# Altium PCB Thunderscope_Rev4.PCBDOC (part 3 of 7) (continued)
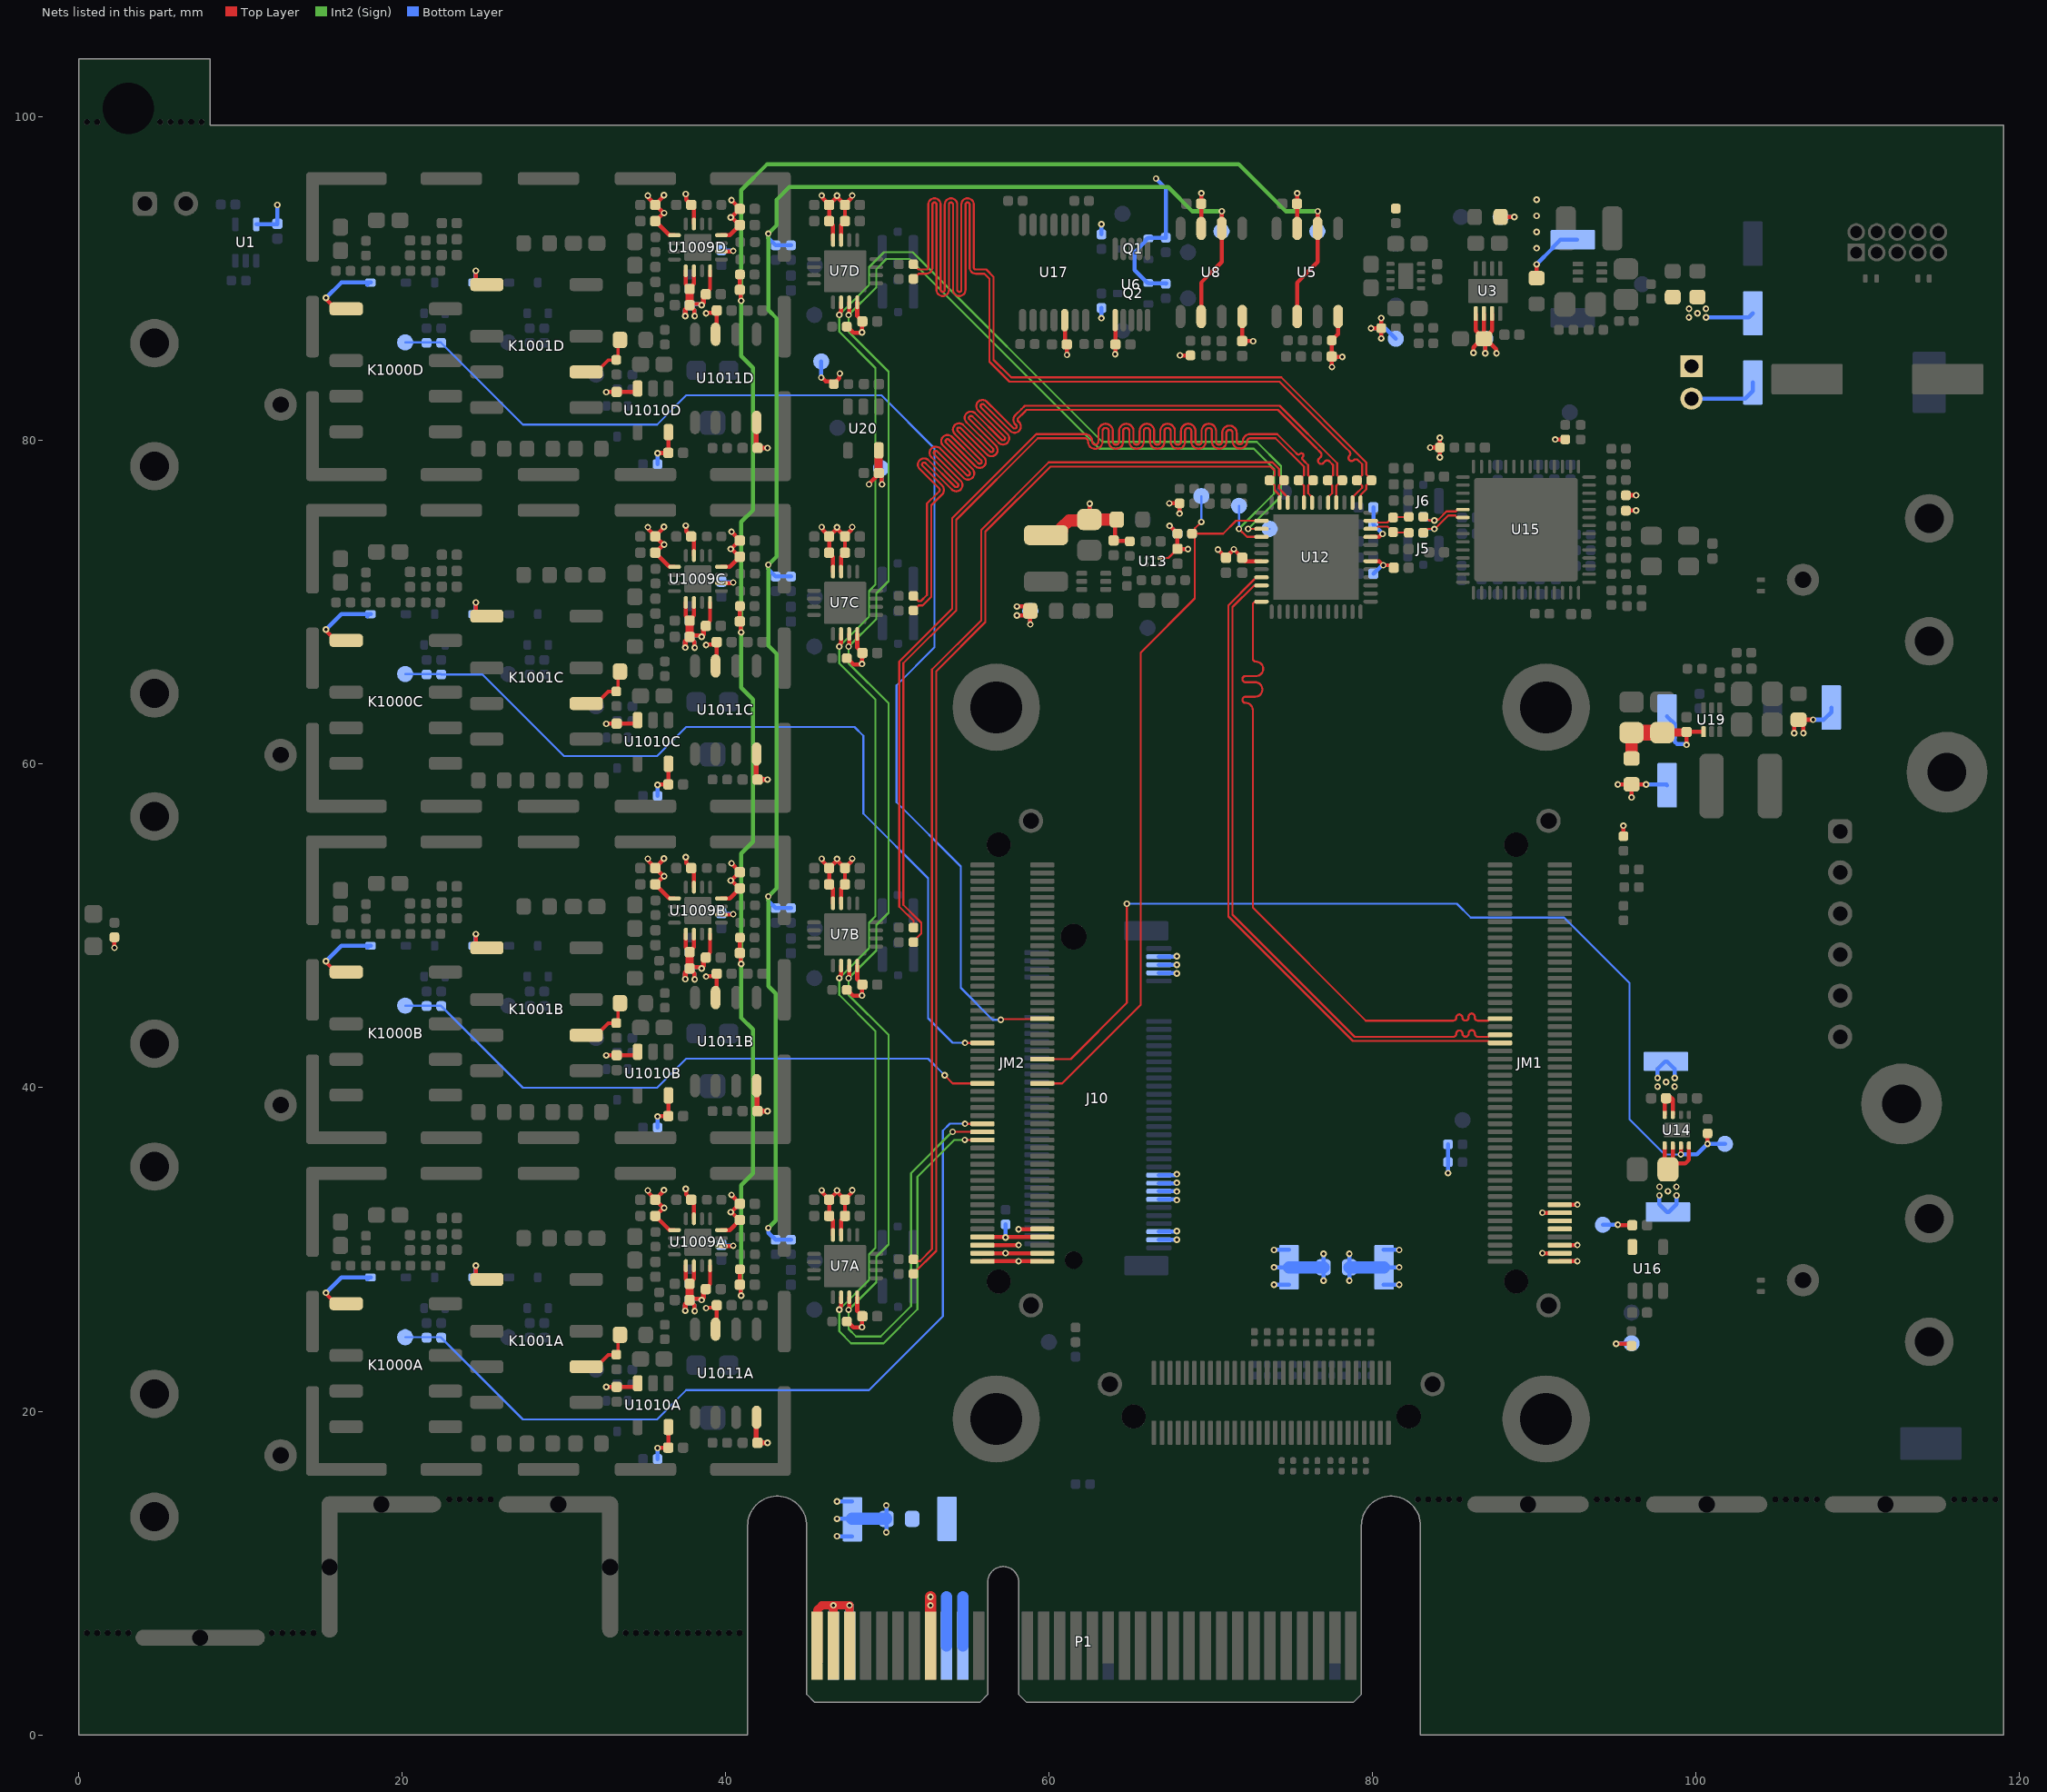
[diagram p7: the nets of this part, all layers, seen from the top]
## Nets (pads, with @x,y where several pads share a name; then routed paths per layer and width w, separated by ;. In a path a pad name is that pad's centre, name@x,y a point inside that pad or via, vN(x,y) a via of type N, cw(c..) or ccw(c..) an arc to the next point about the centre after c; other vN are vias at no path point) (continued)
  Top Layer w1: C119.2@96,61.95 C120.2@97.9,61.95
  Bottom Layer w0.254: TP51.1@98.2,62.95 98.673,62.477 98.673,61.388 98.822,61.239 99.361,61.239 v1(99.4,61.2)
+12V_PCIe: P1.A2 P1.A3 P1.B1 P1.B2 P1.B3 R116.1 TP50.1 | length 18.2
  Top Layer w0.254: v1(95.15,58.75) R116.1@96,58.75 ; v1(96,57.95) R116.1@96,58.75 ; v1(96.9,58.75) R116.1@96,58.75
  Top Layer w0.5: P1.B1@45.65,5.5 45.65,7.707 45.943,8 v1(46.65,8) v1(47.65,8)
  Top Layer w0.508: P1.B2@46.65,5.5 v1(46.65,8) ; P1.B3@47.65,5.5 v1(47.65,8)
  Bottom Layer w0.254: v1(96.9,58.75) 98.15,58.75 TP50.1@98.2,58.7
  Bottom Layer w0.508: P1.A2@46.65,5.5 v1(46.65,8) ; P1.A3@47.65,5.5 v1(47.65,8)
+VBIAS: R97A.2 R97B.2 R97C.2 R97D.2 R98A.1 R98B.1 R98C.1 R98D.1 TP17.1 U8.2 U8.6 | length 109.2
  Top Layer w0.254: U8.2@69.39,87.675 69.39,89.77 70.66,91.04 U8.6@70.66,93.125 70.665,93.13 70.665,94.175 v1(70.67,94.18)
  Int2 (Sign) w0.254: v1(42.625,31.325) 43.075,31.775 43.075,45.825 42.625,46.275 v1(42.625,51.825) 43.15,52.35 43.15,66.8 42.625,67.325 v1(42.625,72.325) 43.15,72.85 43.15,87.55 42.625,88.075 v1(42.625,92.8) 43.15,93.325 43.15,94.9 43.925,95.675 67.35,95.675 68.845,94.18 v1(70.67,94.18)
  Bottom Layer w0.254: v1(42.625,31.325) 42.642,31.308 42.642,31.033 R97A.2@43.075,30.6 R98A.1@44.025,30.6 ; v1(42.625,51.825) 42.642,51.808 42.642,51.533 R97B.2@43.075,51.1 R98B.1@44.025,51.1 ; v1(42.625,72.325) 42.642,72.308 42.642,72.033 R97C.2@43.075,71.6 R98C.1@44.025,71.6 ; v1(42.625,92.8) 42.642,92.783 42.642,92.508 R97D.2@43.075,92.075 R98D.1@44.025,92.075 ; TP17.1@70.65,92.95 70.66,92.96 70.66,94.17 v1(70.67,94.18)
+VUSB: J12.1 J12.2 R3.2 TP18.1 | length 4.5
  Bottom Layer w0.254: J12.2@99.7,82.6 103.027,82.6 103.5,83.073 TP18.1@103.5,83.6
-5V: C14.2 C18.2 C1046A.2 C1046B.2 C1046C.2 C1046D.2 C1047A.2 C1047B.2 C1047C.2 C1047D.2 C1048A.1 C1048B.1 C1048C.1 C1048D.1 C1049A.1 C1049B.1 C1049C.1 C1049D.1 C1050A.1 C1050B.1 C1050C.1 C1050D.1 C1051A.2 C1051B.2 C1051C.2 C1051D.2 C1052A.2 C1052B.2 C1052C.2 C1052D.2 R9.2 R16.1 R1046A.2 R1046B.2 R1046C.2 R1046D.2 TP15.1 U5.4 U8.4 U1009A.5 U1009A.6 U1009A.8 U1009A.10 U1009B.5 U1009B.6 U1009B.8 U1009B.10 U1009C.5 U1009C.6 U1009C.8 U1009C.10 U1009D.5 U1009D.6 U1009D.8 U1009D.10 U1010A.3 U1010B.3 U1010C.3 U1010D.3 U1011A.4 U1011B.4 U1011C.4 U1011D.4 | length 78.5
  Top Layer w0.127: C1047A.2@37.76,27.875 C1047A.2@37.76,27.927 ; C1047B.2@37.76,48.375 C1047B.2@37.76,48.427 ; C1047C.2@37.76,68.875 C1047C.2@37.76,68.927 ; C1047D.2@37.76,89.375 C1047D.2@37.76,89.427 ; C1051A.2@38.765,27.55 C1051A.2@38.765,27.602 ; C1051B.2@38.765,48.05 C1051B.2@38.765,48.102 ; C1051C.2@38.765,68.55 C1051C.2@38.765,68.602 ; C1051D.2@38.765,89.05 C1051D.2@38.765,89.102
  Top Layer w0.25: U1009A.5@37.525,29 37.525,28.162 37.76,27.927 38.025,28.192 U1009A.6@38.025,29 ; U1009B.5@37.525,49.5 37.525,48.662 37.76,48.427 38.025,48.692 U1009B.6@38.025,49.5 ; U1009C.5@37.525,70 37.525,69.162 37.76,68.927 38.025,69.192 U1009C.6@38.025,70 ; U1009D.5@37.525,90.5 37.525,89.662 37.76,89.427 38.025,89.692 U1009D.6@38.025,90.5 ; C1048A.1@37.76,26.875 37.885,27 37.934,26.951 38.369,26.951 38.445,26.875 v1(38.5,26.875) ; C1048B.1@37.76,47.375 37.885,47.5 37.934,47.451 38.369,47.451 38.445,47.375 v1(38.5,47.375) ; C1048C.1@37.76,67.875 37.885,68 37.934,67.951 38.369,67.951 38.445,67.875 v1(38.5,67.875) ; C1048D.1@37.76,88.375 37.885,88.5 37.934,88.451 38.369,88.451 38.445,88.375 v1(38.5,88.375) ; C1048A.1@37.854,26.763 38.054,26.563 38.054,26.221 v1(38.075,26.2) ; C1048B.1@37.854,47.263 38.054,47.063 38.054,46.721 v1(38.075,46.7) ; C1048C.1@37.854,67.763 38.054,67.563 38.054,67.221 v1(38.075,67.2) ; C1048D.1@37.854,88.263 38.054,88.063 38.054,87.721 v1(38.075,87.7) ; C1051A.2@38.765,27.602 39.025,27.862 U1009A.8@39.025,29 ; C1051B.2@38.765,48.102 39.025,48.362 U1009B.8@39.025,49.5 ; C1051C.2@38.765,68.602 39.025,68.862 U1009C.8@39.025,70 ; C1051D.2@38.765,89.102 39.025,89.362 U1009D.8@39.025,90.5 ; U1009A.10@39.725,30.2 40.389,30.2 v1@40.409,30.219 ; U1009B.10@39.725,50.7 40.389,50.7 v1@40.409,50.719 ; U1009C.10@39.725,71.2 40.389,71.2 v1@40.409,71.219 ; U1009D.10@39.725,91.7 40.389,91.7 v1@40.409,91.719 ; C14.2@77.47,85.195 77.47,84.555 v1(77.475,84.55) ; U5.4@77.86,87.675 77.86,86.595 R16.1@77.465,86.2 C14.2@77.465,85.2 77.478,85.188 78.103,85.188 v1(78.115,85.175) ; v1(79.895,86.95) R9.2@80.525,86.95 ; v1(80.525,86.32) R9.2@80.525,86.95 ; v1(80.525,87.58) R9.2@80.525,86.95
  Top Layer w0.254: v1(32.6,21.5) 32.605,21.505 33.245,21.505 C1052A.2@33.25,21.51 34.379,21.51 34.55,21.681 U1010A.3@34.55,21.85 ; v1(32.6,42) 32.605,42.005 33.245,42.005 C1052B.2@33.25,42.01 34.379,42.01 34.55,42.181 U1010B.3@34.55,42.35 ; v1(32.6,62.5) 32.605,62.505 33.245,62.505 C1052C.2@33.25,62.51 34.379,62.51 34.55,62.681 U1010C.3@34.55,62.85 ; v1(32.6,83) 32.605,83.005 33.245,83.005 C1052D.2@33.25,83.01 34.379,83.01 34.55,83.181 U1010D.3@34.55,83.35 ; U8.4@71.93,87.675 71.927,87.672 71.927,86.162 C18.2@71.925,86.16 71.93,86.155 72.595,86.155 v1(72.6,86.15)
  Top Layer w0.3: v1(37.487,26.212) 37.487,26.596 37.752,26.861 C1048A.1@37.752,26.867 ; v1(37.487,46.712) 37.487,47.096 37.752,47.361 C1048B.1@37.752,47.367 ; v1(37.487,67.212) 37.487,67.596 37.752,67.861 C1048C.1@37.752,67.867 ; v1(37.487,87.712) 37.487,88.096 37.752,88.361 C1048D.1@37.752,88.367 ; v1(38.5,26.875) 38.5,26.918 38.623,27.041 38.623,27.408 C1051A.2@38.765,27.55 ; v1(38.5,47.375) 38.5,47.418 38.623,47.541 38.623,47.908 C1051B.2@38.765,48.05 ; v1(38.5,67.875) 38.5,67.918 38.623,68.041 38.623,68.408 C1051C.2@38.765,68.55 ; v1(38.5,88.375) 38.5,88.418 38.623,88.541 38.623,88.908 C1051D.2@38.765,89.05 ; C1050A.1@41.88,18.105 U1011A.4@41.88,19.6 ; C1050C.1@41.88,59.105 U1011C.4@41.88,60.6 ; C1050D.1@41.88,79.605 U1011D.4@41.88,81.1 ; U1011A.4@41.93,19.6 U1011A.4@41.955,19.625 ; U1011B.4@41.93,40.1 41.933,40.097 41.933,38.592 41.975,38.55 v1(42.575,38.55) ; U1011C.4@41.93,60.6 U1011C.4@41.955,60.625 ; U1011D.4@41.93,81.1 U1011D.4@41.955,81.125 ; C1050A.1@41.943,18.018 C1050A.1@41.965,18.04 ; C1050C.1@41.943,59.018 C1050C.1@41.965,59.04 ; C1050D.1@41.943,79.518 C1050D.1@41.965,79.54 ; C1050A.1@41.975,18.05 v1(42.575,18.05) ; C1050C.1@41.975,59.05 v1(42.575,59.05) ; C1050D.1@41.975,79.55 v1(42.575,79.55)
  Top Layer w0.5: C1048A.1@37.76,26.875 C1047A.2@37.76,27.875 ; C1048B.1@37.76,47.375 C1047B.2@37.76,48.375 ; C1048C.1@37.76,67.875 C1047C.2@37.76,68.875 ; C1048D.1@37.76,88.375 C1047D.2@37.76,89.375
  Bottom Layer w0.25: v1(37.487,26.212) 37.471,26.227 37.471,26.567 37.76,26.856 C1046A.2@37.76,26.875 37.833,26.948 38.384,26.948 38.457,26.875 v1(38.5,26.875) ; v1(37.487,46.712) 37.471,46.727 37.471,47.067 37.76,47.356 C1046B.2@37.76,47.375 37.833,47.448 38.384,47.448 38.457,47.375 v1(38.5,47.375) ; v1(37.487,67.212) 37.471,67.227 37.471,67.567 37.76,67.856 C1046C.2@37.76,67.875 37.833,67.948 38.384,67.948 38.457,67.875 v1(38.5,67.875) ; v1(37.487,87.712) 37.471,87.727 37.471,88.067 37.76,88.356 C1046D.2@37.76,88.375 37.833,88.448 38.384,88.448 38.457,88.375 v1(38.5,88.375) ; R1046A.2@37.75,27.875 37.755,27.87 C1046A.2@37.755,26.88 ; R1046B.2@37.75,48.375 37.755,48.37 C1046B.2@37.755,47.38 ; R1046C.2@37.75,68.875 37.755,68.87 C1046C.2@37.755,67.88 ; R1046D.2@37.75,89.375 37.755,89.37 C1046D.2@37.755,88.38 ; C1046A.2@37.76,26.87 38.045,26.585 38.045,26.23 v1(38.075,26.2) ; C1046B.2@37.76,47.37 38.045,47.085 38.045,46.73 v1(38.075,46.7) ; C1046C.2@37.76,67.87 38.045,67.585 38.045,67.23 v1(38.075,67.2) ; C1046D.2@37.76,88.37 38.045,88.085 38.045,87.73 v1(38.075,87.7) ; C1049A.1@39.725,30.285 39.758,30.252 40.376,30.252 v1@40.409,30.219 ; C1049B.1@39.725,50.785 39.758,50.752 40.376,50.752 v1@40.409,50.719 ; C1049C.1@39.725,71.285 39.758,71.252 40.376,71.252 v1@40.409,71.219 ; C1049D.1@39.725,91.785 39.758,91.752 40.376,91.752 v1@40.409,91.719 ; v1(79.895,86.95) 80.775,86.95 TP15.1@81.425,86.3
  other v1: 40.455,30.23 40.455,50.73 40.455,71.23 40.455,91.73
-VBIAS: C1030A.1 C1030B.1 C1030C.1 C1030D.1 R1051A.1 R1051B.1 R1051C.1 R1051D.1 TP19.1 U5.2 U5.6 | length 122.4
  Top Layer w0.25: R1051A.1@40.875,28.775 40.87,28.77 40.87,27.83 C1030A.1@40.865,27.825 40.92,27.77 40.92,27.18 v1(40.95,27.15) ; R1051B.1@40.875,49.275 40.87,49.27 40.87,48.33 C1030B.1@40.865,48.325 40.92,48.27 40.92,47.68 v1(40.95,47.65) ; R1051C.1@40.875,69.775 40.87,69.77 40.87,68.83 C1030C.1@40.865,68.825 40.92,68.77 40.92,68.18 v1(40.95,68.15) ; R1051D.1@40.875,90.275 40.87,90.27 40.87,89.33 C1030D.1@40.865,89.325 40.92,89.27 40.92,88.68 v1(40.95,88.65)
  Top Layer w0.254: U5.2@75.32,87.675 75.32,89.77 76.59,91.04 U5.6@76.59,93.125 76.595,93.13 76.595,94.175 v1(76.601,94.18)
  Int2 (Sign) w0.254: v1(40.95,27.15) 40.95,33.975 41.675,34.7 41.675,43.6 40.95,44.325 v1(40.95,47.65) 40.95,54.475 41.675,55.2 41.675,64 40.95,64.725 v1(40.95,68.15) 40.95,74.975 41.675,75.7 41.675,84.5 40.95,85.225 v1(40.95,88.65) 40.95,95.491 42.559,97.1 71.7,97.1 74.62,94.18 v1(76.601,94.18)
  Bottom Layer w0.254: TP19.1@76.575,92.95 76.588,92.963 76.588,93.992 v1@76.601,94.005
ACQ_EN: JM2.52 R38.2 TP33.1 U14.3 | length 62.6
  Top Layer w0.127: JM2.52@59.567,41.771 61.321,41.771 64.8,45.25 v1(64.8,51.375)
  Top Layer w0.254: v1(99.05,35.875) U14.3@99.05,36.425 ; v1(100.7,36.525) R38.2@100.7,37.175
  Bottom Layer w0.127: v1(64.8,51.375) 85.2,51.375 86.05,50.525 91.825,50.525 95.875,46.475 95.875,38.05 98.05,35.875 v1(99.05,35.875)
  Bottom Layer w0.254: v1(99.05,35.875) 100.05,35.875 v1(100.7,36.525) TP33.1@101.775,36.525
ADC_CLK_C_N: C104.1 R64.1 U12.34 | length 2.6
  Top Layer w0.127: U12.34@79.868,74.55 80.186,74.55 80.329,74.693 80.915,74.693 R64.1@81.257,74.35 81.282,74.325 82.19,74.325 C104.1@82.215,74.3
ADC_CLK_C_P: C103.1 R64.2 U12.35 | length 2.5
  Top Layer w0.127: U12.35@79.868,75.05 80.226,75.05 80.329,74.947 80.907,74.947 81.21,75.25 R64.2@81.257,75.25 81.282,75.275 82.19,75.275 C103.1@82.215,75.3
ADC_CLK_N: C104.2 J5.1 U15.48 | length 3.7
  Top Layer w0.127: C104.2@83.135,74.3 83.187,74.3 83.43,74.542 v1@83.776,74.542 ; v1(83.804,74.54) 83.829,74.54 84.664,75.375 85.108,75.375 85.233,75.25 U15.48@85.575,75.25
  Bottom Layer w0.127: J5.1@83.125,74.3 83.19,74.3 83.43,74.54 v1@83.779,74.54
ADC_CLK_P: C103.2 J6.1 U15.47 | length 3.5
  Top Layer w0.127: C103.2@83.135,75.3 83.332,75.103 83.429,75.103 83.459,75.073 v1@83.781,75.073 ; v1(83.806,75.073) 83.858,75.126 84.056,75.126 84.559,75.629 85.139,75.629 85.26,75.75 U15.47@85.575,75.75
  Bottom Layer w0.127: J6.1@83.125,75.3 83.19,75.3 83.417,75.073 v1@83.781,75.073
ADC_CSn: JM2.46 R42.1 TP29.1 U12.2 | length 45.8
  Top Layer w0.127: JM2.46@59.567,40.271 60.796,40.271 65.65,45.125 65.65,66.9 69,70.25 69,74.15 R42.1@68.9,74.25 ; R42.1@68.825,74.25 R42.1@68.9,74.25 ; R42.1@68.85,74.275 69.008,74.433 69.008,74.583 v1(69.4,74.975) ; U12.2@73.118,75.05 71.55,75.05 70.75,74.25 R42.1@68.9,74.25
  Bottom Layer w0.127: v1(69.4,74.975) TP29.1@69.4,76.575
ADC_SCLK: JM2.33 TP35.1 U7A.11 U7B.11 U7C.11 U7D.11 U12.4 | length 131.9
  Top Layer w0.127: v1(54.025,37.275) 54.027,37.273 55.86,37.273 JM2.33@55.863,37.271 ; v1(71.725,74.55) 72.225,74.05 U12.4@73.118,74.05
  Top Layer w0.25: v1(47.593,26.27) 47.625,26.302 U7A.11@47.625,27.05 ; v1(47.593,46.77) 47.625,46.802 U7B.11@47.625,47.55 ; v1(47.593,67.27) 47.625,67.302 U7C.11@47.625,68.05 ; v1(47.593,87.77) 47.625,87.802 U7D.11@47.625,88.55
  Int2 (Sign) w0.127: v1(54.025,37.275) 54,37.275 51.45,34.725 51.45,26.5 49.575,24.625 48.05,24.625 47.593,25.082 v1(47.593,26.27) 49.3,27.977 49.3,29.556 50.056,30.312 50.056,43.269 47.593,45.732 v1(47.593,46.77) 49.3,48.477 49.3,50.056 50.056,50.812 50.056,63.769 47.593,66.232 v1(47.593,67.27) 49.3,68.977 49.3,70.556 50.056,71.312 50.056,84.269 47.593,86.732 v1(47.593,87.77) 49.3,89.477 49.3,90.6 49.925,91.225 51.375,91.225 63.1,79.5 72.65,79.5 73.9,78.25 73.9,76.725 v1(71.725,74.55)
  Bottom Layer w0.127: v1(71.725,74.55) TP35.1@71.725,75.975
ADC_SDATA: JM2.31 TP34.1 U7A.10 U7B.10 U7C.10 U7D.10 U12.3 | length 132.8
  Top Layer w0.127: v1(54.775,36.775) 54.777,36.773 55.865,36.773 JM2.31@55.867,36.771 ; v1(72.3,74.55) U12.3@73.118,74.55
  Top Layer w0.25: v1(47.009,26.275) 47.009,26.364 47.125,26.48 U7A.10@47.125,27.05 ; v1(47.009,46.775) 47.009,46.864 47.125,46.98 U7B.10@47.125,47.55 ; v1(47.009,67.275) 47.009,67.364 47.125,67.48 U7C.10@47.125,68.05 ; v1(47.009,87.775) 47.009,87.864 47.125,87.98 U7D.10@47.125,88.55
  Int2 (Sign) w0.127: v1(54.775,36.775) 54.125,36.775 51.85,34.5 51.85,26.3 49.75,24.2 47.75,24.2 47.009,24.941 v1(47.009,26.275) 48.85,28.116 48.85,29.7 49.25,30.1 49.25,43.495 47.009,45.736 v1(47.009,46.775) 48.85,48.616 48.85,50.2 49.25,50.6 49.25,63.995 47.009,66.236 v1(47.009,67.275) 48.85,69.116 48.85,70.7 49.25,71.1 49.25,84.495 47.009,86.736 v1(47.009,87.775) 48.85,89.616 48.85,90.725 49.775,91.65 51.55,91.65 63.275,79.925 72.826,79.925 74.325,78.426 74.325,76.575 v1(72.3,74.55)
  Bottom Layer w0.127: v1(72.3,74.55) TP34.1@73.625,74.55
ATTEN_1: JM2.35 R1038A.2 R1040A.2 TP1018A.1 | length 52
  Top Layer w0.127: v1(54.787,37.775) 54.789,37.773 55.798,37.773 JM2.35@55.8,37.775
  Bottom Layer w0.127: TP1018A.1@20.175,24.575 R1038A.2@22.4,24.575 ; R1038A.2@22.4,24.55 27.45,19.5 35.75,19.5 37.55,21.3 48.85,21.3 53.425,25.875 53.425,37.35 53.85,37.775 v1(54.787,37.775)
ATTEN_2: JM2.45 R1038B.2 R1040B.2 TP1018B.1 | length 39.2
  Top Layer w0.127: v1(53.525,40.775) 54.029,40.271 55.863,40.271 JM2.45@55.877,40.285
  Bottom Layer w0.127: TP1018B.1@20.175,45.075 R1038B.2@22.4,45.075 ; R1038B.2@22.4,45.05 27.45,40 35.75,40 37.55,41.8 52.5,41.8 v1(53.525,40.775)
ATTEN_3: JM2.55 R1038C.2 R1040C.2 TP1018C.1 | length 54.5
  Top Layer w0.127: v1(54.787,42.775) 54.789,42.773 JM2.55@55.831,42.773
  Bottom Layer w0.127: TP1018C.1@20.175,65.575 21.5,65.575 R1038C.2@22.4,65.575 ; R1038C.2@22.4,65.55 24.95,65.55 30,60.5 35.75,60.5 37.55,62.3 47.95,62.3 48.5,61.75 48.5,56.95 52.5,52.95 52.5,44.3 54.025,42.775 v1(54.787,42.775)
ATTEN_4: JM2.62 R1038D.2 R1040D.2 TP1018D.1 | length 78.8
  Top Layer w0.127: v1(57,44.2) 57.035,44.235 59.532,44.235 JM2.62@59.567,44.271
  Bottom Layer w0.127: TP1018D.1@20.175,86.075 R1038D.2@22.4,86.075 ; R1038D.2@22.4,86.05 27.45,81 35.75,81 37.55,82.8 49.625,82.8 52.9,79.525 52.9,67.225 50.55,64.875 50.55,57.65 54.525,53.675 54.525,46.175 56.5,44.2 v1(57,44.2)
ATTEN_OUTA: K1001A.6 R1044A.1 R1049A.2 | length 3.5
  Top Layer w0.213: K1001A.6@31.365,22.75 31.995,22.75 32.73,23.485 33.044,23.485 33.058,23.5 R1049A.2@33.225,23.5 33.337,23.613 33.337,24.613 R1044A.1@33.45,24.725
ATTEN_OUTB: K1001B.6 R1044B.1 R1049B.2 | length 3.5
  Top Layer w0.213: K1001B.6@31.365,43.25 31.995,43.25 32.73,43.985 33.044,43.985 33.058,44 R1049B.2@33.225,44 33.337,44.113 33.337,45.113 R1044B.1@33.45,45.225
ATTEN_OUTC: K1001C.6 R1044C.1 R1049C.2 | length 3.5
  Top Layer w0.213: K1001C.6@31.365,63.75 31.995,63.75 32.73,64.485 33.044,64.485 33.058,64.5 R1049C.2@33.225,64.5 33.337,64.613 33.337,65.613 R1044C.1@33.45,65.725
ATTEN_OUTD: K1001D.6 R1044D.1 R1049D.2 | length 3.5
  Top Layer w0.213: K1001D.6@31.365,84.25 31.995,84.25 32.73,84.985 33.044,84.985 33.058,85 R1049D.2@33.225,85 33.337,85.113 33.337,86.113 R1044D.1@33.45,86.225
CH1_N: R40A.2 R57.2 U12.47 | length 69.7
  Top Layer w0.127: R40A.2@51.6,28.5 51.6,28.51 53.007,29.918 53.007,65.743 56.05,68.786 56.05,74.375 60.075,78.4 73.686,78.4 73.943,78.143 73.943,77.875 R57.2@73.618,77.55 73.942,77.226 73.942,76.937 74.22,76.66 U12.47@74.22,76.199
CH1_P: R30A.2 R57.1 U12.46 | length 69.8
  Top Layer w0.127: R30A.2@51.6,29.4 51.71,29.29 52.016,29.29 52.75,30.024 52.75,65.85 55.793,68.893 55.793,74.482 59.968,78.657 73.793,78.657 74.2,78.25 74.2,77.868 R57.1@74.518,77.55 74.2,77.231 74.2,77.044 74.529,76.714 U12.46@74.743,76.5
CH2_N: R40B.2 R60.2 U12.44 | length 69.7
  Top Layer w0.127: R40B.2@51.6,49 51.6,49.047 52.091,49.537 52.091,50.191 50.982,51.299 50.982,66.243 54.25,69.511 54.25,75.105 59.295,80.15 61.375,80.15 62.205,80.15 cw(c62.205,79.959) 62.396,79.959 62.396,79.941 ccw(c62.843,79.941) 62.843,79.493 ccw(c62.843,79.941) 63.291,79.941 63.291,80.597 cw(c63.482,80.597) 63.482,80.787 cw(c63.482,80.597) 63.672,80.597 63.672,79.941 ccw(c64.12,79.941) 64.12,79.493 ccw(c64.12,79.941) 64.567,79.941 64.567,80.597 cw(c64.758,80.597) 64.758,80.787 cw(c64.758,80.597) 64.948,80.597 64.948,79.941 ccw(c65.396,79.941) 65.396,79.493 ccw(c65.396,79.941) 65.844,79.941 65.844,80.597 cw(c66.034,80.597) 66.034,80.787 cw(c66.034,80.597) 66.225,80.597 66.225,79.941 ccw(c66.673,79.941) 66.673,79.493 ccw(c66.673,79.941) 67.12,79.941 67.12,80.597 cw(c67.311,80.597) 67.311,80.787 cw(c67.311,80.597) 67.501,80.597 67.501,79.941 ccw(c67.949,79.941) 67.949,79.493 ccw(c67.949,79.941) 68.397,79.941 68.397,80.597 cw(c68.587,80.597) 68.587,80.787 cw(c68.587,80.597) 68.778,80.597 68.778,79.941 ccw(c69.226,79.941) 69.226,79.493 ccw(c69.226,79.941) 69.673,79.941 69.673,80.597 cw(c69.864,80.597) 69.864,80.787 cw(c69.864,80.597) 70.054,80.597 70.054,79.941 ccw(c70.502,79.941) 70.502,79.493 ccw(c70.502,79.941) 70.95,79.941 70.95,80.48 cw(c71.14,80.48) 71.14,80.67 cw(c71.14,80.48) 71.331,80.48 71.331,79.959 ccw(c71.778,79.959) 71.778,79.512 ccw(c71.778,79.959) 72.226,79.959 cw(c72.417,79.959) 72.417,80.15 73.169,80.15 73.986,80.15 75.743,78.393 75.743,77.875 R60.2@75.418,77.55 75.418,77.546 75.743,77.221 U12.44@75.743,76.175
CH2_P: R30B.2 R60.1 U12.43 | length 69.7
  Top Layer w0.127: R30B.2@51.6,49.9 51.602,49.902 51.602,50.316 50.725,51.193 50.725,66.35 53.993,69.618 53.993,75.211 59.189,80.407 61.375,80.407 62.205,80.407 cw(c62.205,79.959) 62.653,79.959 62.653,79.941 ccw(c62.843,79.941) 62.843,79.75 ccw(c62.843,79.941) 63.034,79.941 63.034,80.597 cw(c63.482,80.597) 63.482,81.044 cw(c63.482,80.597) 63.929,80.597 63.929,79.941 ccw(c64.12,79.941) 64.12,79.75 ccw(c64.12,79.941) 64.31,79.941 64.31,80.597 cw(c64.758,80.597) 64.758,81.044 cw(c64.758,80.597) 65.206,80.597 65.206,79.941 ccw(c65.396,79.941) 65.396,79.75 ccw(c65.396,79.941) 65.587,79.941 65.587,80.597 cw(c66.034,80.597) 66.034,81.044 cw(c66.034,80.597) 66.482,80.597 66.482,79.941 ccw(c66.673,79.941) 66.673,79.75 ccw(c66.673,79.941) 66.863,79.941 66.863,80.597 cw(c67.311,80.597) 67.311,81.044 cw(c67.311,80.597) 67.759,80.597 67.759,79.941 ccw(c67.949,79.941) 67.949,79.75 ccw(c67.949,79.941) 68.14,79.941 68.14,80.597 cw(c68.587,80.597) 68.587,81.044 cw(c68.587,80.597) 69.035,80.597 69.035,79.941 ccw(c69.226,79.941) 69.226,79.75 ccw(c69.226,79.941) 69.416,79.941 69.416,80.597 cw(c69.864,80.597) 69.864,81.044 cw(c69.864,80.597) 70.311,80.597 70.311,79.941 ccw(c70.502,79.941) 70.502,79.75 ccw(c70.502,79.941) 70.692,79.941 70.692,80.48 cw(c71.14,80.48) 71.14,80.927 cw(c71.14,80.48) 71.588,80.48 71.588,79.959 ccw(c71.778,79.959) 71.778,79.769 ccw(c71.778,79.959) 71.969,79.959 cw(c72.417,79.959) 72.417,80.407 73.169,80.407 74.093,80.407 75.272,79.228 75.317,79.183 ccw(c75.407,79.273) 75.497,79.183 cw(c75.587,79.093) 75.677,79.183 cw(c75.587,79.093) 75.677,79.003 ccw(c75.766,78.913) 75.677,78.823 75.793,78.707 75.838,78.662 76,78.5 76,77.868 R60.1@76.318,77.55 76,77.232 76,76.758 76.243,76.515 U12.43@76.243,76.175
CH3_N: R40C.2 R62.2 U12.41 | length 69.8
  Top Layer w0.127: R40C.2@51.6,69.5 51.6,69.51 51.911,69.821 52.167,69.821 52.7,70.355 52.7,76.011 53.237,76.548 53.373,76.684 ccw(c53.101,76.956) 53.41,77.183 53.41,77.19 53.373,77.227 52.169,78.431 cw(c52.258,78.521) 52.169,78.611 cw(c52.258,78.521) 52.348,78.611 ; 52.349,78.61 53.976,76.983 ccw(c54.248,77.254) 54.52,76.983 ccw(c54.248,77.254) 54.558,77.482 54.558,77.488 52.892,79.154 cw(c52.981,79.244) 52.892,79.334 cw(c52.981,79.244) 53.071,79.334 ; 53.072,79.333 54.699,77.706 ccw(c54.971,77.977) 55.243,77.706 55.244,77.707 ccw(c54.971,77.977) 55.281,78.205 55.281,78.211 53.614,79.877 cw(c53.704,79.967) 53.614,80.057 cw(c53.704,79.967) 53.794,80.057 55.422,78.429 ccw(c55.694,78.7) 55.966,78.429 55.967,78.43 ccw(c55.694,78.7) 56.003,78.928 56.003,78.934 54.337,80.6 cw(c54.427,80.69) 54.337,80.78 cw(c54.427,80.69) 54.517,80.78 ; 54.518,80.779 56.145,79.152 ccw(c56.417,79.423) 56.689,79.151 56.69,79.152 ccw(c56.417,79.423) 56.726,79.651 56.726,79.657 55.06,81.323 cw(c55.15,81.413) 55.06,81.503 cw(c55.15,81.413) 55.24,81.503 ; 55.241,81.502 56.868,79.875 ccw(c57.14,80.146) 57.412,79.874 57.413,79.875 ccw(c57.14,80.146) 57.449,80.374 57.449,80.38 55.783,82.046 cw(c55.873,82.136) 55.783,82.226 cw(c55.873,82.136) 55.963,82.226 57.585,80.604 ccw(c57.857,80.876) 58.128,80.604 58.129,80.605 ccw(c57.857,80.876) 58.128,81.147 58.121,81.154 58.072,81.204 cw(c58.162,81.293) 58.072,81.383 58.46,81.772 58.589,81.9 74.136,81.9 76.462,79.574 76.507,79.529 76.777,79.26 cw(c76.642,79.125) 76.777,78.99 76.672,78.885 ccw(c76.807,78.751) 76.672,78.616 ccw(c76.807,78.751) 76.941,78.616 77.046,78.721 cw(c77.181,78.586) 77.315,78.721 77.484,78.552 77.529,78.507 77.539,78.497 77.539,77.905 ; U12.41@77.243,76.515 77.486,76.758 77.486,77.232 77.455,77.263 77.455,77.267 77.218,77.503 R62.2@77.218,77.55 77.543,77.875 77.543,77.894
CH3_P: R30C.2 R62.1 U12.40 | length 69.8
  Top Layer w0.127: R30C.2@51.6,70.4 51.6,70.39 51.911,70.079 52.06,70.079 52.443,70.461 52.443,76.118 53.055,76.73 53.191,76.866 ccw(c53.101,76.956) 53.19,77.046 ; 51.987,78.249 53.19,77.046 ; 51.987,78.249 cw(c52.258,78.521) 51.987,78.793 51.988,78.794 cw(c52.258,78.521) 52.486,78.83 52.492,78.83 54.158,77.164 ccw(c54.248,77.254) 54.338,77.164 ccw(c54.248,77.254) 54.338,77.344 ; 54.337,77.345 52.71,78.972 cw(c52.981,79.244) 52.71,79.516 52.711,79.517 cw(c52.981,79.244) 53.209,79.553 53.215,79.553 54.881,77.887 ccw(c54.971,77.977) 55.061,77.887 ccw(c54.971,77.977) 55.061,78.067 53.433,79.695 cw(c53.704,79.967) 53.433,80.239 cw(c53.704,79.967) 53.932,80.276 53.938,80.276 55.604,78.61 ccw(c55.694,78.7) 55.784,78.61 ccw(c55.694,78.7) 55.784,78.79 54.156,80.418 cw(c54.427,80.69) 54.156,80.962 cw(c54.427,80.69) 54.655,80.999 54.661,80.999 56.327,79.333 ccw(c56.417,79.423) 56.507,79.333 ccw(c56.417,79.423) 56.507,79.513 ; 55.602,81.864 cw(c55.873,82.136) 55.602,82.408 cw(c55.873,82.136) 56.101,82.445 56.107,82.445 56.855,81.698 57.767,80.786 ccw(c57.857,80.876) 57.946,80.786 ccw(c57.857,80.876) 57.946,80.965 57.891,81.021 cw(c58.162,81.293) 57.89,81.565 58.278,81.953 58.482,82.157 74.243,82.157 77.8,78.6 77.8,77.868 R62.1@78.118,77.55 ; 55.602,81.863 57.229,80.237 ; 56.506,79.514 54.879,81.141 cw(c55.15,81.413) 54.879,81.685 cw(c55.15,81.413) 55.378,81.722 55.384,81.722 57.05,80.056 ccw(c57.14,80.146) 57.23,80.056 ccw(c57.14,80.146) 57.23,80.236 ; U12.40@77.743,76.175 77.743,77.221 R62.1@78.068,77.546 ; R62.1@78.118,77.527 R62.1@78.118,77.55 ; R62.1@78.118,77.573 R62.1@78.118,77.55
CH4_N: R40D.2 R63.2 U12.38 | length 69.7
  Top Layer w0.127: R40D.2@51.6,90 51.6,90.01 51.911,90.321 52.196,90.321 52.389,90.321 ccw(c52.389,90.706) 52.773,90.706 52.773,94.601 cw(c52.9,94.601) 52.9,94.728 cw(c52.9,94.601) 53.027,94.601 53.027,89.324 ccw(c53.411,89.324) 53.411,88.94 ccw(c53.411,89.324) 53.795,89.324 53.795,94.601 cw(c53.922,94.601) 53.922,94.728 cw(c53.922,94.601) 54.049,94.601 54.049,89.324 ccw(c54.433,89.324) 54.433,88.94 ccw(c54.433,89.324) 54.818,89.324 54.818,94.601 cw(c54.945,94.601) 54.945,94.728 cw(c54.945,94.601) 55.072,94.601 55.072,90.706 ccw(c55.456,90.706) 55.456,90.321 55.854,90.321 55.993,90.321 56.3,90.014 56.3,84.886 57.536,83.65 74.236,83.65 78.238,79.648 78.283,79.603 78.553,79.334 cw(c78.418,79.199) 78.553,79.064 ccw(c78.687,78.929) 78.553,78.795 ccw(c78.687,78.929) 78.822,78.795 ; U12.38@78.743,76.175 78.743,76.5 78.957,76.714 79.339,77.096 79.339,77.214 79.018,77.535 R63.2@79.018,77.55 79.343,77.875 79.343,78.343 79.343,78.543 79.091,78.795 ; 78.822,78.795 cw(c78.957,78.66) 79.091,78.795
CH4_P: R30D.2 R63.1 U12.37 | length 69.6
  Top Layer w0.127: R30D.2@51.6,90.9 51.6,90.89 51.911,90.579 52.196,90.579 52.389,90.579 ccw(c52.389,90.706) 52.516,90.706 52.516,94.601 cw(c52.9,94.601) 52.9,94.985 cw(c52.9,94.601) 53.284,94.601 53.284,89.324 ccw(c53.411,89.324) 53.411,89.197 ccw(c53.411,89.324) 53.538,89.324 53.538,94.601 cw(c53.922,94.601) 53.922,94.985 cw(c53.922,94.601) 54.306,94.601 54.306,89.324 ccw(c54.433,89.324) 54.433,89.197 ccw(c54.433,89.324) 54.56,89.324 54.56,94.601 cw(c54.945,94.601) 54.945,94.985 cw(c54.945,94.601) 55.329,94.601 55.329,90.706 ccw(c55.456,90.706) 55.456,90.579 55.854,90.579 55.993,90.579 56.1,90.579 56.557,90.121 56.557,84.993 57.643,83.907 74.343,83.907 79.6,78.65 79.6,77.915 79.918,77.597 R63.1@79.918,77.55 79.907,77.55 79.596,77.239 79.596,76.989 79.267,76.66 79.267,76.199 U12.37@79.243,76.175
D1A_N: JM1.57 U12.10 | length 42
  Top Layer w0.127: U12.10@73.118,71.05 73.095,71.026 72.64,71.026 71.325,69.711 71.325,50.7 78.876,43.149 84.625,43.149 84.974,43.149 ccw(c84.974,43.34) 85.165,43.34 85.165,43.35 cw(c85.355,43.35) 85.546,43.35 85.546,43.34 ccw(c85.736,43.34) 85.927,43.34 85.927,43.361 cw(c86.117,43.361) 86.308,43.361 86.308,43.34 ccw(c86.498,43.34) 86.498,43.149 86.943,43.149 87.139,43.149 87.261,43.271 JM1.57@87.867,43.271
D1A_P: JM1.55 U12.9 | length 42
  Top Layer w0.127: U12.9@73.118,71.55 72.8,71.55 72.589,71.339 71.068,69.818 71.068,50.593 78.769,42.892 87.139,42.892 87.261,42.771 JM1.55@87.867,42.771
D1B_N: JM1.61 U12.12 | length 42.2
  Top Layer w0.127: U12.12@73.118,70.05 73.095,70.026 72.689,70.026 72.582,69.92 72.582,68.486 72.582,66.725 72.582,66.533 ccw(c72.773,66.533) 72.773,66.342 72.775,66.342 cw(c72.775,65.895) 73.222,65.895 cw(c72.775,65.895) 72.775,65.447 72.133,65.447 ccw(c72.133,65.256) 71.942,65.256 ccw(c72.133,65.256) 72.133,65.066 72.728,65.066 cw(c72.728,64.618) 73.176,64.618 cw(c72.728,64.618) 72.728,64.171 72.134,64.171 ccw(c72.134,63.98) 71.944,63.98 ccw(c72.134,63.98) 72.134,63.79 cw(c72.134,63.342) 72.582,63.342 72.582,58.753 72.582,51.143 79.576,44.149 84.624,44.149 84.97,44.149 ccw(c84.97,44.34) 85.161,44.34 cw(c85.351,44.34) 85.542,44.34 ccw(c85.732,44.34) 85.923,44.34 85.923,44.395 cw(c86.113,44.395) 86.304,44.395 86.304,44.34 ccw(c86.494,44.34) 86.494,44.149 86.939,44.149 87.139,44.149 87.261,44.271 JM1.61@87.867,44.271